# KiCad board sbc.kicad_pcb (continued)
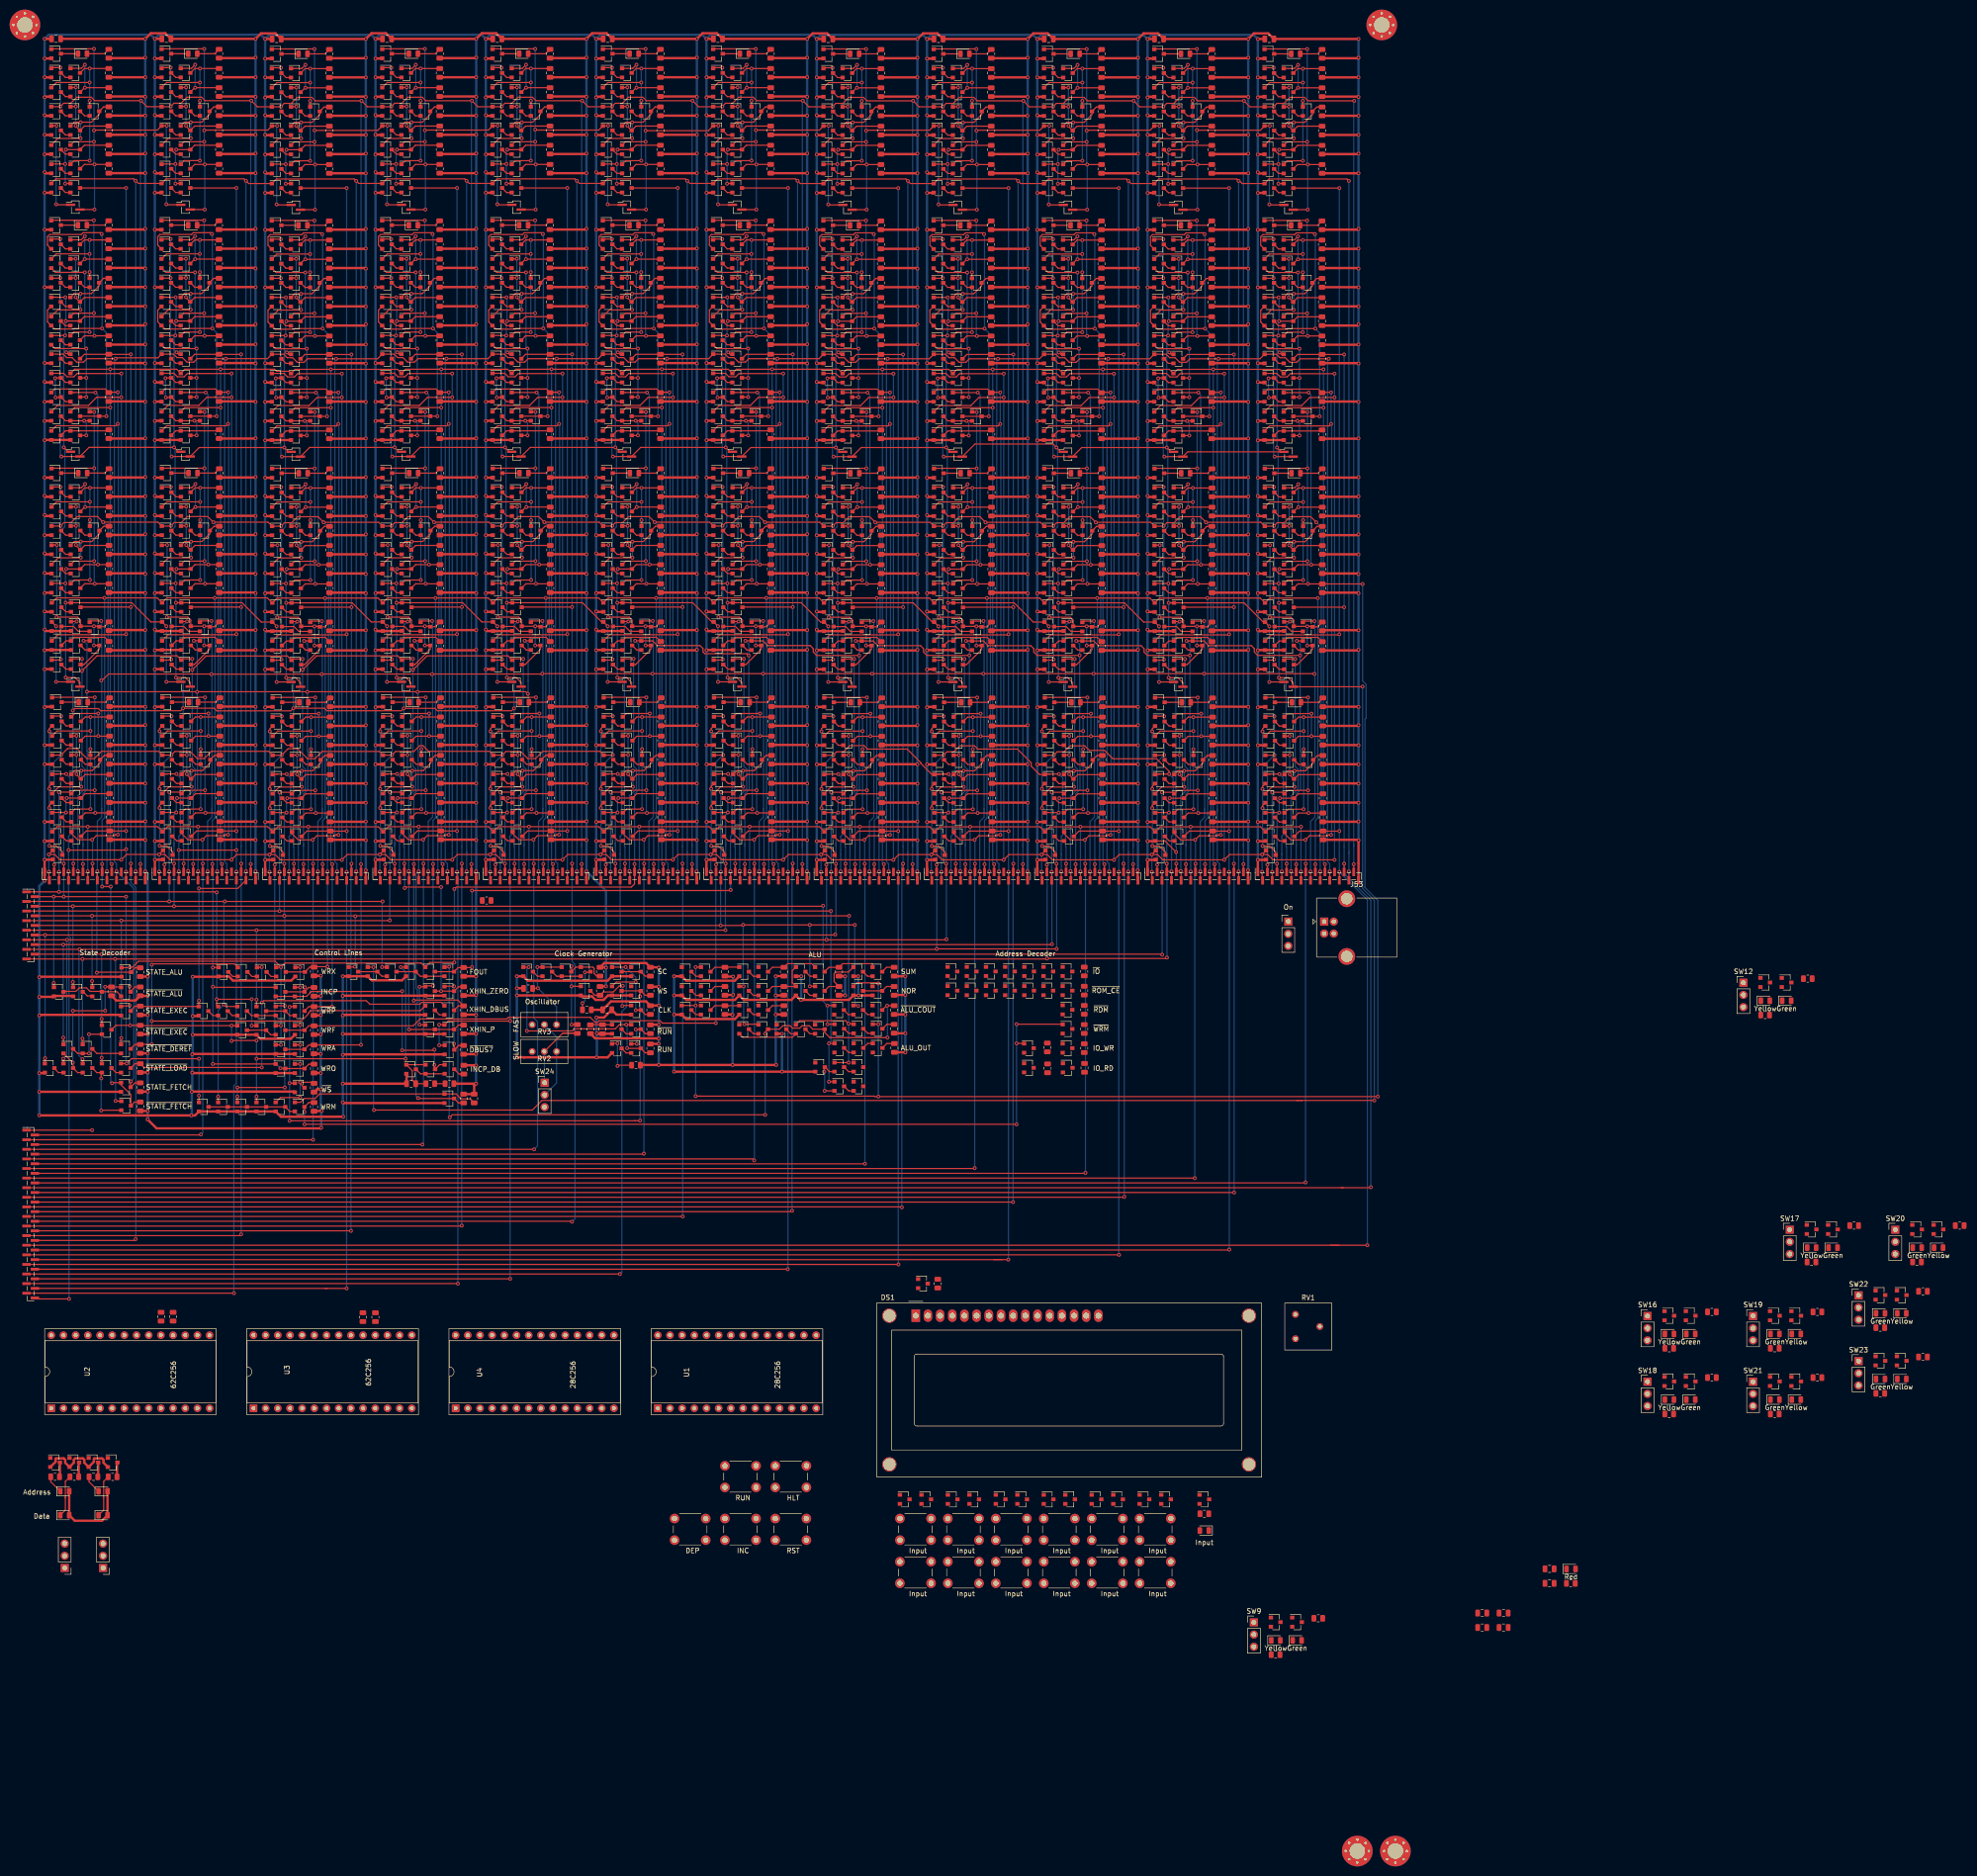
[diagram p0: board, top side]
## Routing (per net, layer and track width the routed paths; a pad name or vN(x,y) marks a point on that pad's centre or on a via; arc(x,y) is an arc through that point) (continued)
Net-(Q248-Pad1): length 6.4
  Top w0.25: Q251.3 143.91,184.31 R113.2 146.04,184.35 Q248.1
Net-(Q251-Pad2): length 2.4
  Top w0.25: Q251.2 139.95,182.45 Q252.3
Net-(Q253-Pad2): length 2.4
  Top w0.25: Q255.3 163.75,182.45 Q253.2
Net-(Q253-Pad3): length 11.4
  Top w0.25: Q253.3 167.71,184.31 R114.2 170.56,185.08 176.72,185.08 176.8,185 Q257.1
Net-(Q254-Pad1): length 10.8
  Top w0.25: Q256.3 155.91,180.31 R116.2 160.76,180.31 Q266.1 160.02,181.13 160.02,183.57 Q255.1
Net-(Q254-Pad2): length 2.4
  Top w0.25: Q258.3 139.95,178.45 Q254.2
Net-(Q254-Pad3): length 3.4
  Top w0.25: Q254.3 143.91,180.31 R115.2
Net-(Q256-Pad2): length 2.4
  Top w0.25: Q259.3 151.95,178.45 Q256.2
Net-(Q257-Pad2): length 2.4
  Top w0.25: Q260.3 175.75,182.45 Q257.2
Net-(Q260-Pad1): length 11.1
  Top w0.25: Q262.3 167.71,180.31 R120.2 168.77,181.34 168.77,182.99 169.11,183.33 171.78,183.33 Q260.1
Net-(Q262-Pad2): length 2.4
  Top w0.25: Q266.3 163.75,178.45 Q262.2
Net-(Q263-Pad2): length 2.4
  Top w0.25: Q263.2 175.75,174.45 Q267.3
Net-(Q264-Pad2): length 2.4
  Top w0.25: Q264.2 163.75,170.45 Q268.3
Net-(Q265-Pad2): length 2.4
  Top w0.25: Q265.2 151.95,170.45 Q269.3
Net-(Q267-Pad2): length 2.4
  Top w0.25: Q267.2 171.75,174.45 Q274.3
Net-(Q268-Pad2): length 14.8
  Top w0.25: Q279.3 159.75,170.45 Q268.2 160.07,169.72 149.73,169.72 Q269.2
Net-(Q270-Pad2): length 2.4
  Top w0.25: Q270.2 175.8,170.55 Q275.3
Net-(Q271-Pad2): length 2.4
  Top w0.25: Q271.2 171.8,166.55 Q276.3
Net-(Q272-Pad2): length 2.4
  Top w0.25: Q277.3 171.8,162.55 Q272.2
Net-(Q273-Pad2): length 2.4
  Top w0.25: Q278.3 171.8,158.55 Q273.2
Net-(Q275-Pad2): length 2.4
  Top w0.25: Q280.3 171.8,170.55 Q275.2
Net-(Q277-Pad2): length 9.5
  Top w0.25: Q277.2 167.8,162.55 Q281.3 166.7,163.35 v1(166.7,162.55) ; Q278.2 v1(166.8,158.55)
  Bottom w0.25: v1(166.7,162.55) 166.8,162.45 v1(166.8,158.55)
Net-(Q284-Pad2): length 2.4
  Top w0.25: Q285.3 54.65,210.67 Q284.2
Net-(Q286-Pad2): length 2.4
  Top w0.25: Q287.3 54.45,345.87 Q286.2
Net-(Q288-Pad1): length 39.6
  Top w0.25: Q294.3 58.41,371.73 v1(59.51,371.73) R129.2 ; v1(59.5,352.52) 56.25,352.52 Q288.1 ; v1(59.5,365.02) Q297.1 ; Q291.1 52.55,368.82 v1(59.5,368.82)
  Bottom w0.25: v1(59.5,352.52) v1(59.5,365.02) v1(59.5,368.82) 59.5,371.72 v1(59.51,371.73)
Net-(Q288-Pad2): length 2.4
  Top w0.25: Q290.3 54.45,349.87 Q288.2
Net-(Q289-Pad1): length 18
  Top w0.25: R131.2 58.41,359.73 Q300.3 56.6,359.72 v1(56.6,359.82) ; v1(56.6,367.82) 56.55,367.77 Q289.1 ; Q298.1 55.55,363.82 v1(56.6,363.82)
  Bottom w0.25: v1(56.6,367.82) v1(56.6,363.82) v1(56.6,359.82)
Net-(Q289-Pad2): length 2.4
  Top w0.25: Q291.3 54.45,365.87 Q289.2
Net-(Q289-Pad3): length 14.5
  Top w0.25: Q289.3 58.41,367.73 v1(58.51,367.73) R126.2 ; v1(58.5,372.52) 57.75,371.77 Q294.1
  Bottom w0.25: v1(58.5,372.52) 58.5,367.75 v1(58.51,367.73)
Net-(Q293-Pad2): length 2.4
  Top w0.25: Q295.3 54.45,353.87 Q293.2
Net-(Q294-Pad2): length 2.4
  Top w0.25: Q296.3 54.45,369.87 Q294.2
Net-(Q295-Pad1): length 20.1
  Top w0.25: R130.2 62.41,363.73 Q297.3 61.5,362.17 59.88,360.55 57.63,360.55 ; Q300.1 56.28,360.55 57.63,360.55 ; 57.63,360.55 v1(57.6,360.52) ; Q295.1 52.87,357.14 57.56,357.14 v1(57.6,357.18)
  Bottom w0.25: v1(57.6,360.52) v1(57.6,357.18)
Net-(Q297-Pad2): length 2.4
  Top w0.25: Q298.3 58.45,361.87 Q297.2
Net-(Q298-Pad2): length 2.4
  Top w0.25: Q299.3 54.45,361.87 Q298.2
Net-(Q300-Pad2): length 2.4
  Top w0.25: Q301.3 54.45,357.87 Q300.2
Net-(Q302-Pad2): length 2.3
  Top w0.25: Q307.3 58.55,250.47 Q302.2
Net-(Q303-Pad2): length 2.4
  Top w0.25: Q308.3 54.55,258.42 Q303.2
Net-(Q304-Pad2): length 2.4
  Top w0.25: Q309.3 54.55,246.47 Q304.2
Net-(Q305-Pad2): length 6.3
  Top w0.25: Q310.3 56.14,255.37 57.14,254.37 Q305.2
Net-(Q307-Pad1): length 11
  Top w0.25: R133.2 62.66,253.12 56.35,253.12 Q307.1 54.55,252.37 Q311.3
Net-(Q312-Pad1): length 39.6
  Top w0.25: Q318.3 58.46,284.27 v1(59.56,284.27) R138.2 ; v1(59.55,265.06) 56.3,265.06 Q312.1 ; v1(59.55,277.56) Q321.1 ; Q315.1 52.6,281.36 v1(59.55,281.36)
  Bottom w0.25: v1(59.55,265.06) v1(59.55,277.56) v1(59.55,281.36) 59.55,284.26 v1(59.56,284.27)
Net-(Q312-Pad2): length 2.4
  Top w0.25: Q314.3 54.5,262.41 Q312.2
Net-(Q313-Pad1): length 18
  Top w0.25: R140.2 58.46,272.27 Q324.3 56.65,272.26 v1(56.65,272.36) ; v1(56.65,280.36) 56.6,280.31 Q313.1 ; Q322.1 55.6,276.36 v1(56.65,276.36)
  Bottom w0.25: v1(56.65,280.36) v1(56.65,276.36) v1(56.65,272.36)
Net-(Q313-Pad2): length 2.4
  Top w0.25: Q315.3 54.5,278.41 Q313.2
Net-(Q313-Pad3): length 14.5
  Top w0.25: Q313.3 58.46,280.27 v1(58.56,280.27) R135.2 ; v1(58.55,285.06) 57.8,284.31 Q318.1
  Bottom w0.25: v1(58.55,285.06) 58.55,280.29 v1(58.56,280.27)
Net-(Q317-Pad2): length 2.4
  Top w0.25: Q319.3 54.5,266.41 Q317.2
Net-(Q318-Pad2): length 2.4
  Top w0.25: Q320.3 54.5,282.41 Q318.2
Net-(Q319-Pad1): length 20.1
  Top w0.25: R139.2 62.46,276.27 Q321.3 61.55,274.71 59.92,273.09 57.68,273.09 ; Q324.1 56.33,273.09 57.68,273.09 ; 57.68,273.09 v1(57.65,273.06) ; Q319.1 52.92,269.68 57.61,269.68 v1(57.65,269.72)
  Bottom w0.25: v1(57.65,273.06) v1(57.65,269.72)
Net-(Q321-Pad2): length 2.4
  Top w0.25: Q322.3 58.5,274.41 Q321.2
Net-(Q322-Pad2): length 2.4
  Top w0.25: Q323.3 54.5,274.41 Q322.2
Net-(Q324-Pad2): length 2.4
  Top w0.25: Q325.3 54.5,270.41 Q324.2
Net-(Q326-Pad2): length 2.4
  Top w0.25: Q327.3 54.45,310.27 Q326.2
Net-(Q328-Pad2): length 11.2
  Top w0.25: Q328.2 54.45,306.27 Q332.3 52.39,307.22 v1(52.32,307.14) ; Q329.2 54.45,302.27 Q333.3 53.4,303.12 v1(52.4,303.12)
  Bottom w0.25: v1(52.4,303.12) 52.32,303.2 v1(52.32,307.14)
Net-(Q330-Pad2): length 10.9
  Top w0.25: Q334.3 54.45,298.27 Q330.2 v1(58.35,298.27) Q331.2 ; Q335.3 v1(58.8,295.22)
  Bottom w0.25: v1(58.35,298.27) 58.8,297.82 v1(58.8,295.22)
Net-(Q335-Pad1): length 10.5
  Top w0.25: Q336.3 54.45,296.17 Q335.1 63.29,296.17 R142.2
Net-(Q337-Pad1): length 39.6
  Top w0.25: Q343.3 58.39,335.98 v1(59.49,335.98) R147.2 ; v1(59.48,316.77) 56.23,316.77 Q337.1 ; v1(59.48,329.27) Q346.1 ; Q340.1 52.53,333.07 v1(59.48,333.07)
  Bottom w0.25: v1(59.48,316.77) v1(59.48,329.27) v1(59.48,333.07) 59.48,335.97 v1(59.49,335.98)
Net-(Q337-Pad2): length 2.4
  Top w0.25: Q339.3 54.43,314.12 Q337.2
Net-(Q338-Pad1): length 18
  Top w0.25: R149.2 58.39,323.98 Q349.3 56.58,323.97 v1(56.58,324.07) ; v1(56.58,332.07) 56.53,332.02 Q338.1 ; Q347.1 55.53,328.07 v1(56.58,328.07)
  Bottom w0.25: v1(56.58,332.07) v1(56.58,328.07) v1(56.58,324.07)
Net-(Q338-Pad2): length 2.4
  Top w0.25: Q340.3 54.43,330.12 Q338.2
Net-(Q338-Pad3): length 14.5
  Top w0.25: Q338.3 58.39,331.98 v1(58.49,331.98) R144.2 ; v1(58.48,336.77) 57.73,336.02 Q343.1
  Bottom w0.25: v1(58.48,336.77) 58.48,331.99 v1(58.49,331.98)
Net-(Q342-Pad2): length 2.4
  Top w0.25: Q344.3 54.43,318.12 Q342.2
Net-(Q343-Pad2): length 2.4
  Top w0.25: Q345.3 54.43,334.12 Q343.2
Net-(Q344-Pad1): length 20.1
  Top w0.25: R148.2 62.39,327.98 Q346.3 61.48,326.42 59.86,324.79 57.61,324.79 ; Q349.1 56.26,324.79 57.61,324.79 ; 57.61,324.79 v1(57.58,324.77) ; Q344.1 52.85,321.39 57.54,321.39 v1(57.58,321.43)
  Bottom w0.25: v1(57.58,324.77) v1(57.58,321.43)
Net-(Q346-Pad2): length 2.4
  Top w0.25: Q347.3 58.43,326.12 Q346.2
Net-(Q347-Pad2): length 2.4
  Top w0.25: Q348.3 54.43,326.12 Q347.2
Net-(Q349-Pad2): length 2.4
  Top w0.25: Q350.3 54.43,322.12 Q349.2
Net-(Q353-Pad1): length 39.6
  Top w0.25: Q359.3 58.57,236.49 v1(59.67,236.49) R154.2 ; v1(59.66,217.28) 56.41,217.28 Q353.1 ; v1(59.66,229.78) Q362.1 ; Q356.1 52.71,233.58 v1(59.66,233.58)
  Bottom w0.25: v1(59.66,217.28) v1(59.66,229.78) v1(59.66,233.58) 59.66,236.48 v1(59.67,236.49)
Net-(Q353-Pad2): length 2.4
  Top w0.25: Q355.3 54.61,214.63 Q353.2
Net-(Q354-Pad1): length 18
  Top w0.25: R156.2 58.57,224.49 Q365.3 56.76,224.48 v1(56.76,224.58) ; v1(56.76,232.58) 56.71,232.53 Q354.1 ; Q363.1 55.71,228.58 v1(56.76,228.58)
  Bottom w0.25: v1(56.76,232.58) v1(56.76,228.58) v1(56.76,224.58)
Net-(Q354-Pad2): length 2.4
  Top w0.25: Q356.3 54.61,230.63 Q354.2
Net-(Q354-Pad3): length 17.1
  Top w0.25: Q354.3 58.57,232.49 61.23,232.49 ; 61.27,232.49 61.27,232.51 v1(61.29,232.52) 61.25,232.52 61.23,232.49 ; 61.27,232.49 R151.2 ; 61.27,232.49 61.23,232.49 ; Q359.1 56.35,237.22 v1(61.29,237.22)
  Bottom w0.25: v1(61.29,232.52) v1(61.29,237.22)
Net-(Q358-Pad2): length 2.4
  Top w0.25: Q360.3 54.61,218.63 Q358.2
Net-(Q359-Pad2): length 2.4
  Top w0.25: Q361.3 54.61,234.63 Q359.2
Net-(Q360-Pad1): length 20.1
  Top w0.25: R155.2 62.57,228.49 Q362.3 61.66,226.93 60.04,225.31 57.79,225.31 ; Q365.1 56.44,225.31 57.79,225.31 ; 57.79,225.31 v1(57.76,225.28) ; Q360.1 53.03,221.9 57.72,221.9 v1(57.76,221.94)
  Bottom w0.25: v1(57.76,225.28) v1(57.76,221.94)
Net-(Q362-Pad2): length 2.4
  Top w0.25: Q363.3 58.61,226.63 Q362.2
Net-(Q363-Pad2): length 2.4
  Top w0.25: Q364.3 54.61,226.63 Q363.2
Net-(Q365-Pad2): length 2.4
  Top w0.25: Q366.3 54.61,222.63 Q365.2
Net-(Q367-Pad2): length 2.4
  Top w0.25: Q368.3 77.67,210.7 Q367.2
Net-(Q369-Pad2): length 2.4
  Top w0.25: Q370.3 77.47,345.9 Q369.2
Net-(Q371-Pad1): length 39.6
  Top w0.25: Q377.3 81.44,371.76 v1(82.54,371.76) R163.2 ; v1(82.53,352.55) 79.28,352.55 Q371.1 ; v1(82.53,365.05) Q380.1 ; Q374.1 75.58,368.85 v1(82.53,368.85)
  Bottom w0.25: v1(82.53,352.55) v1(82.53,365.05) v1(82.53,368.85) 82.53,371.75 v1(82.54,371.76)
Net-(Q371-Pad2): length 2.4
  Top w0.25: Q373.3 77.47,349.9 Q371.2
Net-(Q372-Pad1): length 18
  Top w0.25: R165.2 81.44,359.76 Q383.3 79.62,359.75 v1(79.62,359.85) ; v1(79.62,367.85) 79.58,367.8 Q372.1 ; Q381.1 78.58,363.85 v1(79.62,363.85)
  Bottom w0.25: v1(79.62,367.85) v1(79.62,363.85) v1(79.62,359.85)
Net-(Q372-Pad2): length 2.4
  Top w0.25: Q374.3 77.47,365.9 Q372.2
Net-(Q372-Pad3): length 14.5
  Top w0.25: Q372.3 81.44,367.76 v1(81.54,367.76) R160.2 ; v1(81.53,372.55) 80.78,371.8 Q377.1
  Bottom w0.25: v1(81.53,372.55) 81.53,367.77 v1(81.54,367.76)
Net-(Q376-Pad2): length 2.4
  Top w0.25: Q378.3 77.47,353.9 Q376.2
Net-(Q377-Pad2): length 2.4
  Top w0.25: Q379.3 77.47,369.9 Q377.2
Net-(Q378-Pad1): length 20.1
  Top w0.25: R164.2 85.44,363.76 Q380.3 84.53,362.2 82.9,360.57 80.65,360.57 ; Q383.1 79.3,360.57 80.65,360.57 ; 80.65,360.57 v1(80.62,360.55) ; Q378.1 75.9,357.17 80.59,357.17 v1(80.62,357.21)
  Bottom w0.25: v1(80.62,360.55) v1(80.62,357.21)
Net-(Q380-Pad2): length 2.4
  Top w0.25: Q381.3 81.47,361.9 Q380.2
Net-(Q381-Pad2): length 2.4
  Top w0.25: Q382.3 77.47,361.9 Q381.2
Net-(Q383-Pad2): length 2.4
  Top w0.25: Q384.3 77.47,357.9 Q383.2
Net-(Q385-Pad2): length 2.3
  Top w0.25: Q390.3 81.58,250.5 Q385.2
Net-(Q386-Pad2): length 2.4
  Top w0.25: Q391.3 77.58,258.45 Q386.2
Net-(Q387-Pad2): length 2.4
  Top w0.25: Q392.3 77.58,246.5 Q387.2
Net-(Q388-Pad2): length 6.3
  Top w0.25: Q393.3 79.16,255.4 80.16,254.4 82.53,254.4
Net-(Q390-Pad1): length 11
  Top w0.25: R167.2 85.69,253.14 79.37,253.14 Q390.1 77.58,252.4 Q394.3
Net-(Q395-Pad1): length 39.6
  Top w0.25: Q401.3 81.49,284.3 v1(82.59,284.3) R172.2 ; v1(82.58,265.09) 79.33,265.09 Q395.1 ; v1(82.58,277.59) Q404.1 ; Q398.1 75.62,281.38 v1(82.58,281.38)
  Bottom w0.25: v1(82.58,265.09) v1(82.58,277.59) v1(82.58,281.38) 82.58,284.29 v1(82.59,284.3)
Net-(Q395-Pad2): length 2.4
  Top w0.25: Q397.3 77.53,262.44 Q395.2
Net-(Q396-Pad1): length 18
  Top w0.25: R174.2 81.49,272.3 Q407.3 79.67,272.29 v1(79.67,272.38) ; v1(79.67,280.38) 79.62,280.34 Q396.1 ; 78.58,276.34 78.62,276.38 v1(79.67,276.38)
  Bottom w0.25: v1(79.67,280.38) v1(79.67,276.38) v1(79.67,272.38)
Net-(Q396-Pad2): length 2.4
  Top w0.25: Q398.3 77.53,278.44 Q396.2
Net-(Q396-Pad3): length 14.5
  Top w0.25: Q396.3 81.49,280.3 v1(81.59,280.3) R169.2 ; v1(81.58,285.09) 80.83,284.34 Q401.1
  Bottom w0.25: v1(81.58,285.09) 81.58,280.31 v1(81.59,280.3)
Net-(Q400-Pad2): length 2.4
  Top w0.25: Q402.3 77.53,266.44 Q400.2
Net-(Q401-Pad2): length 2.4
  Top w0.25: Q403.3 77.53,282.44 Q401.2
Net-(Q402-Pad1): length 20.1
  Top w0.25: R173.2 85.49,276.3 Q404.3 84.58,274.74 82.95,273.11 80.7,273.11 ; Q407.1 79.35,273.11 80.7,273.11 ; 80.7,273.11 v1(80.67,273.09) ; Q402.1 75.95,269.71 80.64,269.71 v1(80.67,269.75)
  Bottom w0.25: v1(80.67,273.09) v1(80.67,269.75)
Net-(Q404-Pad2): length 2.4
  Top w0.25: Q405.3 81.52,274.44 Q404.2
Net-(Q405-Pad2): length 2.4
  Top w0.25: Q406.3 77.53,274.44 Q405.2
Net-(Q407-Pad2): length 2.4
  Top w0.25: Q408.3 77.53,270.44 Q407.2
Net-(Q409-Pad2): length 2.4
  Top w0.25: Q410.3 77.47,310.3 Q409.2
Net-(Q411-Pad2): length 11.2
  Top w0.25: Q411.2 77.47,306.3 Q415.3 75.42,307.25 v1(75.34,307.17) ; Q412.2 77.47,302.3 Q416.3 76.42,303.15 v1(75.42,303.15)
  Bottom w0.25: v1(75.42,303.15) 75.34,303.23 v1(75.34,307.17)
Net-(Q413-Pad2): length 10.9
  Top w0.25: Q417.3 77.47,298.3 Q413.2 v1(81.38,298.3) Q414.2 ; Q418.3 v1(81.83,295.25)
  Bottom w0.25: v1(81.38,298.3) 81.83,297.85 v1(81.83,295.25)
Net-(Q418-Pad1): length 10.5
  Top w0.25: Q419.3 77.47,296.2 Q418.1 86.31,296.2 R176.2
Net-(Q420-Pad1): length 39.6
  Top w0.25: Q426.3 81.42,336 v1(82.52,336) R181.2 ; v1(82.5,316.79) 79.25,316.79 Q420.1 ; v1(82.5,329.29) Q429.1 ; Q423.1 75.56,333.09 v1(82.5,333.09)
  Bottom w0.25: v1(82.5,316.79) v1(82.5,329.29) v1(82.5,333.09) 82.5,335.99 v1(82.52,336)
Net-(Q420-Pad2): length 2.4
  Top w0.25: Q422.3 77.45,314.14 Q420.2
Net-(Q421-Pad1): length 18
  Top w0.25: R183.2 81.42,324 Q432.3 79.61,323.99 v1(79.61,324.09) ; v1(79.61,332.09) 79.56,332.04 Q421.1 ; Q430.1 78.56,328.09 v1(79.61,328.09)
  Bottom w0.25: v1(79.61,332.09) v1(79.61,328.09) v1(79.61,324.09)
Net-(Q421-Pad2): length 2.4
  Top w0.25: Q423.3 77.45,330.14 Q421.2
Net-(Q421-Pad3): length 14.5
  Top w0.25: Q421.3 81.42,332 v1(81.52,332) R178.2 ; v1(81.5,336.79) 80.75,336.04 Q426.1
  Bottom w0.25: v1(81.5,336.79) 81.5,332.02 v1(81.52,332)
Net-(Q425-Pad2): length 2.4
  Top w0.25: Q427.3 77.45,318.14 Q425.2
Net-(Q426-Pad2): length 2.4
  Top w0.25: Q428.3 77.45,334.14 Q426.2
Net-(Q427-Pad1): length 20.1
  Top w0.25: R182.2 85.42,328 Q429.3 84.5,326.44 82.88,324.82 80.63,324.82 ; Q432.1 79.28,324.82 80.63,324.82 ; 80.63,324.82 v1(80.61,324.79) ; Q427.1 75.88,321.41 80.57,321.41 v1(80.61,321.45)
  Bottom w0.25: v1(80.61,324.79) v1(80.61,321.45)
Net-(Q429-Pad2): length 2.4
  Top w0.25: Q430.3 81.45,326.14 Q429.2
Net-(Q430-Pad2): length 2.4
  Top w0.25: Q431.3 77.45,326.14 Q430.2
Net-(Q432-Pad2): length 2.4
  Top w0.25: Q433.3 77.45,322.14 Q432.2
Net-(Q436-Pad1): length 39.6
  Top w0.25: Q442.3 81.6,236.52 v1(82.7,236.52) R188.2 ; v1(82.69,217.31) 79.44,217.31 Q436.1 ; v1(82.69,229.81) Q445.1 ; Q439.1 75.74,233.61 v1(82.69,233.61)
  Bottom w0.25: v1(82.69,217.31) v1(82.69,229.81) v1(82.69,233.61) 82.69,236.51 v1(82.7,236.52)
Net-(Q436-Pad2): length 2.4
  Top w0.25: Q438.3 77.64,214.66 Q436.2
Net-(Q437-Pad1): length 18
  Top w0.25: R190.2 81.6,224.52 Q448.3 79.79,224.51 v1(79.79,224.61) ; v1(79.79,232.61) 79.74,232.56 Q437.1 ; Q446.1 78.74,228.61 v1(79.79,228.61)
  Bottom w0.25: v1(79.79,232.61) v1(79.79,228.61) v1(79.79,224.61)
Net-(Q437-Pad2): length 2.4
  Top w0.25: Q439.3 77.64,230.66 Q437.2
Net-(Q437-Pad3): length 17.1
  Top w0.25: Q437.3 81.6,232.52 84.25,232.52 ; 84.3,232.52 84.3,232.53 v1(84.31,232.55) 84.28,232.55 84.25,232.52 ; 84.3,232.52 R185.2 ; 84.3,232.52 84.25,232.52 ; Q442.1 79.37,237.24 v1(84.31,237.24)
  Bottom w0.25: v1(84.31,232.55) v1(84.31,237.24)
Net-(Q441-Pad2): length 2.4
  Top w0.25: Q443.3 77.64,218.66 Q441.2
Net-(Q442-Pad2): length 2.4
  Top w0.25: Q444.3 77.64,234.66 Q442.2
Net-(Q443-Pad1): length 20.1
  Top w0.25: R189.2 85.6,228.52 Q445.3 84.69,226.96 83.06,225.33 80.81,225.33 ; Q448.1 79.46,225.33 80.81,225.33 ; 80.81,225.33 v1(80.79,225.31) ; Q443.1 76.06,221.93 80.75,221.93 v1(80.79,221.97)
  Bottom w0.25: v1(80.79,225.31) v1(80.79,221.97)
Net-(Q445-Pad2): length 2.4
  Top w0.25: Q446.3 81.64,226.66 Q445.2
Net-(Q446-Pad2): length 2.4
  Top w0.25: Q447.3 77.64,226.66 Q446.2
Net-(Q448-Pad2): length 2.4
  Top w0.25: Q449.3 77.64,222.66 Q448.2
Net-(Q450-Pad2): length 2.4
  Top w0.25: Q451.3 100.68,210.7 Q450.2
Net-(Q452-Pad2): length 2.4
  Top w0.25: Q453.3 100.47,345.9 Q452.2
Net-(Q454-Pad1): length 39.6
  Top w0.25: Q460.3 104.44,371.76 v1(105.54,371.76) R197.2 ; v1(105.53,352.55) 102.28,352.55 Q454.1 ; v1(105.53,365.05) Q463.1 ; Q457.1 98.57,368.85 v1(105.53,368.85)
  Bottom w0.25: v1(105.53,352.55) v1(105.53,365.05) v1(105.53,368.85) 105.53,371.75 v1(105.54,371.76)
Net-(Q454-Pad2): length 2.4
  Top w0.25: Q456.3 100.47,349.9 Q454.2
Net-(Q455-Pad1): length 18
  Top w0.25: R199.2 104.44,359.76 Q466.3 102.62,359.75 v1(102.62,359.85) ; v1(102.62,367.85) 102.57,367.8 Q455.1 ; Q464.1 101.57,363.85 v1(102.62,363.85)
  Bottom w0.25: v1(102.62,367.85) v1(102.62,363.85) v1(102.62,359.85)
Net-(Q455-Pad2): length 2.4
  Top w0.25: Q457.3 100.47,365.9 Q455.2
Net-(Q455-Pad3): length 14.5
  Top w0.25: Q455.3 104.44,367.76 v1(104.54,367.76) R194.2 ; v1(104.53,372.55) 103.78,371.8 Q460.1
  Bottom w0.25: v1(104.53,372.55) 104.53,367.77 v1(104.54,367.76)
Net-(Q459-Pad2): length 2.4
  Top w0.25: Q461.3 100.47,353.9 Q459.2
Net-(Q460-Pad2): length 2.4
  Top w0.25: Q462.3 100.47,369.9 Q460.2
Net-(Q461-Pad1): length 20.1
  Top w0.25: R198.2 108.44,363.76 Q463.3 107.53,362.2 105.9,360.57 103.65,360.57 ; Q466.1 102.3,360.57 103.65,360.57 ; 103.65,360.57 v1(103.62,360.55) ; Q461.1 98.9,357.17 103.59,357.17 v1(103.62,357.21)
  Bottom w0.25: v1(103.62,360.55) v1(103.62,357.21)
Net-(Q463-Pad2): length 2.4
  Top w0.25: Q464.3 104.47,361.9 Q463.2
Net-(Q464-Pad2): length 2.4
  Top w0.25: Q465.3 100.47,361.9 Q464.2
Net-(Q466-Pad2): length 2.4
  Top w0.25: Q467.3 100.47,357.9 Q466.2
Net-(Q468-Pad2): length 2.3
  Top w0.25: Q473.3 104.58,250.5 Q468.2
Net-(Q469-Pad2): length 2.4
  Top w0.25: Q474.3 100.57,258.45 Q469.2
Net-(Q470-Pad2): length 2.4
  Top w0.25: Q475.3 100.58,246.5 Q470.2
Net-(Q471-Pad2): length 6.3
  Top w0.25: Q476.3 102.16,255.4 103.16,254.4 105.53,254.4
Net-(Q473-Pad1): length 11
  Top w0.25: R201.2 108.69,253.14 102.37,253.14 Q473.1 100.58,252.4 Q477.3
Net-(Q478-Pad1): length 39.6
  Top w0.25: Q484.3 104.49,284.3 v1(105.59,284.3) R206.2 ; v1(105.57,265.09) 102.32,265.09 Q478.1 ; v1(105.57,277.59) Q487.1 ; Q481.1 98.62,281.38 v1(105.57,281.38)
  Bottom w0.25: v1(105.57,265.09) v1(105.57,277.59) v1(105.57,281.38) 105.57,284.29 v1(105.59,284.3)
Net-(Q478-Pad2): length 2.4
  Top w0.25: Q480.3 100.53,262.44 Q478.2
Net-(Q479-Pad1): length 18
  Top w0.25: R208.2 104.49,272.3 Q490.3 102.68,272.29 v1(102.68,272.38) ; v1(102.68,280.38) 102.62,280.34 Q479.1 ; 101.57,276.34 101.62,276.38 v1(102.68,276.38)
  Bottom w0.25: v1(102.68,280.38) v1(102.68,276.38) v1(102.68,272.38)
Net-(Q479-Pad2): length 2.4
  Top w0.25: Q481.3 100.53,278.44 Q479.2
Net-(Q479-Pad3): length 14.5
  Top w0.25: Q479.3 104.49,280.3 v1(104.59,280.3) R203.2 ; v1(104.57,285.09) 103.82,284.34 Q484.1
  Bottom w0.25: v1(104.57,285.09) 104.57,280.31 v1(104.59,280.3)
Net-(Q483-Pad2): length 2.4
  Top w0.25: Q485.3 100.53,266.44 Q483.2
Net-(Q484-Pad2): length 2.4
  Top w0.25: Q486.3 100.53,282.44 Q484.2
Net-(Q485-Pad1): length 20.1
  Top w0.25: R207.2 108.49,276.3 Q487.3 107.57,274.74 105.95,273.11 103.7,273.11 ; Q490.1 102.35,273.11 103.7,273.11 ; 103.7,273.11 v1(103.68,273.09) ; Q485.1 98.95,269.71 103.64,269.71 v1(103.68,269.75)
  Bottom w0.25: v1(103.68,273.09) v1(103.68,269.75)
Net-(Q487-Pad2): length 2.4
  Top w0.25: Q488.3 104.52,274.44 Q487.2
Net-(Q488-Pad2): length 2.4
  Top w0.25: Q489.3 100.53,274.44 Q488.2
Net-(Q490-Pad2): length 2.4
  Top w0.25: Q491.3 100.53,270.44 Q490.2
Net-(Q492-Pad2): length 2.4
  Top w0.25: Q493.3 100.47,310.3 Q492.2
Net-(Q494-Pad2): length 11.2
  Top w0.25: Q494.2 100.47,306.3 Q498.3 98.42,307.25 v1(98.34,307.17) ; Q495.2 100.47,302.3 Q499.3 99.43,303.15 v1(98.43,303.15)
  Bottom w0.25: v1(98.43,303.15) 98.34,303.23 v1(98.34,307.17)
Net-(Q496-Pad2): length 10.9
  Top w0.25: Q500.3 100.47,298.3 Q496.2 v1(104.38,298.3) Q497.2 ; Q501.3 v1(104.82,295.25)
  Bottom w0.25: v1(104.38,298.3) 104.82,297.85 v1(104.82,295.25)
Net-(Q501-Pad1): length 10.5
  Top w0.25: Q502.3 100.47,296.2 Q501.1 109.31,296.2 R210.2
Net-(Q503-Pad1): length 39.6
  Top w0.25: Q509.3 104.42,336 v1(105.52,336) R215.2 ; v1(105.5,316.79) 102.25,316.79 Q503.1 ; v1(105.5,329.29) Q512.1 ; Q506.1 98.56,333.09 v1(105.5,333.09)
  Bottom w0.25: v1(105.5,316.79) v1(105.5,329.29) v1(105.5,333.09) 105.5,335.99 v1(105.52,336)
Net-(Q503-Pad2): length 2.4
  Top w0.25: Q505.3 100.46,314.14 Q503.2
Net-(Q504-Pad1): length 18
  Top w0.25: R217.2 104.42,324 Q515.3 102.6,323.99 v1(102.6,324.09) ; v1(102.6,332.09) 102.56,332.04 Q504.1 ; Q513.1 101.56,328.09 v1(102.6,328.09)
  Bottom w0.25: v1(102.6,332.09) v1(102.6,328.09) v1(102.6,324.09)
Net-(Q504-Pad2): length 2.4
  Top w0.25: Q506.3 100.46,330.14 Q504.2
Net-(Q504-Pad3): length 14.5
  Top w0.25: Q504.3 104.42,332 v1(104.52,332) R212.2 ; v1(104.5,336.79) 103.75,336.04 Q509.1
  Bottom w0.25: v1(104.5,336.79) 104.5,332.02 v1(104.52,332)
Net-(Q508-Pad2): length 2.4
  Top w0.25: Q510.3 100.46,318.14 Q508.2
Net-(Q509-Pad2): length 2.4
  Top w0.25: Q511.3 100.46,334.14 Q509.2
Net-(Q510-Pad1): length 20.1
  Top w0.25: R216.2 108.42,328 Q512.3 107.5,326.44 105.88,324.82 103.63,324.82 ; Q515.1 102.28,324.82 103.63,324.82 ; 103.63,324.82 v1(103.6,324.79) ; Q510.1 98.88,321.41 103.57,321.41 v1(103.6,321.45)
  Bottom w0.25: v1(103.6,324.79) v1(103.6,321.45)
Net-(Q512-Pad2): length 2.4
  Top w0.25: Q513.3 104.45,326.14 Q512.2
Net-(Q513-Pad2): length 2.4
  Top w0.25: Q514.3 100.46,326.14 Q513.2
Net-(Q515-Pad2): length 2.4
  Top w0.25: Q516.3 100.46,322.14 Q515.2
Net-(Q519-Pad1): length 39.6
  Top w0.25: Q525.3 104.6,236.52 v1(105.7,236.52) R222.2 ; v1(105.69,217.31) 102.44,217.31 Q519.1 ; v1(105.69,229.81) Q528.1 ; Q522.1 98.74,233.61 v1(105.69,233.61)
  Bottom w0.25: v1(105.69,217.31) v1(105.69,229.81) v1(105.69,233.61) 105.69,236.51 v1(105.7,236.52)
Net-(Q519-Pad2): length 2.4
  Top w0.25: Q521.3 100.64,214.66 Q519.2
Net-(Q520-Pad1): length 18
  Top w0.25: R224.2 104.6,224.52 Q531.3 102.79,224.51 v1(102.79,224.61) ; v1(102.79,232.61) 102.74,232.56 Q520.1 ; Q529.1 101.74,228.61 v1(102.79,228.61)
  Bottom w0.25: v1(102.79,232.61) v1(102.79,228.61) v1(102.79,224.61)
Net-(Q520-Pad2): length 2.4
  Top w0.25: Q522.3 100.64,230.66 Q520.2
Net-(Q520-Pad3): length 17.1
  Top w0.25: Q520.3 104.6,232.52 107.25,232.52 ; 107.3,232.52 107.3,232.53 v1(107.31,232.55) 107.28,232.55 107.25,232.52 ; 107.3,232.52 R219.2 ; 107.3,232.52 107.25,232.52 ; Q525.1 102.37,237.24 v1(107.31,237.24)
  Bottom w0.25: v1(107.31,232.55) v1(107.31,237.24)
Net-(Q524-Pad2): length 2.4
  Top w0.25: Q526.3 100.64,218.66 Q524.2
Net-(Q525-Pad2): length 2.4
  Top w0.25: Q527.3 100.64,234.66 Q525.2
Net-(Q526-Pad1): length 20.1
  Top w0.25: R223.2 108.6,228.52 Q528.3 107.69,226.96 106.06,225.33 103.81,225.33 ; Q531.1 102.46,225.33 103.81,225.33 ; 103.81,225.33 v1(103.79,225.31) ; Q526.1 99.06,221.93 103.75,221.93 v1(103.79,221.97)
  Bottom w0.25: v1(103.79,225.31) v1(103.79,221.97)
Net-(Q528-Pad2): length 2.4
  Top w0.25: Q529.3 104.63,226.66 Q528.2
Net-(Q529-Pad2): length 2.4
  Top w0.25: Q530.3 100.64,226.66 Q529.2
Net-(Q531-Pad2): length 2.4
  Top w0.25: Q532.3 100.64,222.66 Q531.2
Net-(Q533-Pad2): length 2.4
  Top w0.25: Q534.3 123.7,210.7 Q533.2
Net-(Q535-Pad2): length 2.4
  Top w0.25: Q536.3 123.5,345.9 Q535.2
Net-(Q537-Pad1): length 39.6
  Top w0.25: v1(128.55,365.05) Q546.1 ; Q540.1 121.6,368.85 v1(128.55,368.85) ; v1(128.55,352.55) 125.3,352.55 Q537.1 ; Q543.3 127.46,371.76 v1(128.56,371.76) R231.2
  Bottom w0.25: v1(128.56,371.76) 128.55,371.75 v1(128.55,368.85) v1(128.55,365.05) v1(128.55,352.55)
Net-(Q537-Pad2): length 2.4
  Top w0.25: Q539.3 123.5,349.9 Q537.2
Net-(Q538-Pad1): length 18
  Top w0.25: v1(125.65,359.85) 125.65,359.75 Q549.3 127.46,359.76 R233.2 ; v1(125.65,367.85) 125.6,367.8 Q538.1 ; v1(125.65,363.85) 124.6,363.85 Q547.1
  Bottom w0.25: v1(125.65,359.85) v1(125.65,363.85) v1(125.65,367.85)
Net-(Q538-Pad2): length 2.4
  Top w0.25: Q538.2 123.5,365.9 Q540.3
Net-(Q538-Pad3): length 14.5
  Top w0.25: R228.2 v1(127.56,367.76) 127.46,367.76 Q538.3 ; Q543.1 126.8,371.8 v1(127.55,372.55)
  Bottom w0.25: v1(127.55,372.55) 127.55,367.77 v1(127.56,367.76)
Net-(Q542-Pad2): length 2.4
  Top w0.25: Q544.3 123.5,353.9 Q542.2
Net-(Q543-Pad2): length 2.4
  Top w0.25: Q545.3 123.5,369.9 Q543.2
Net-(Q544-Pad1): length 20.1
  Top w0.25: 126.68,360.57 125.33,360.57 Q549.1 ; 126.68,360.57 128.93,360.57 130.55,362.2 Q546.3 131.46,363.76 R232.2 ; 126.68,360.57 v1(126.65,360.55) ; v1(126.65,357.21) 126.61,357.17 121.92,357.17 Q544.1
  Bottom w0.25: v1(126.65,360.55) v1(126.65,357.21)
Net-(Q546-Pad2): length 2.4
  Top w0.25: Q547.3 127.5,361.9 Q546.2
Net-(Q547-Pad2): length 2.4
  Top w0.25: Q547.2 123.5,361.9 Q548.3
Net-(Q549-Pad2): length 2.4
  Top w0.25: Q549.2 123.5,357.9 Q550.3
Net-(Q551-Pad2): length 2.3
  Top w0.25: Q551.2 127.6,250.5 Q556.3
Net-(Q552-Pad2): length 2.4
  Top w0.25: Q552.2 123.6,258.45 Q557.3
Net-(Q553-Pad2): length 2.4
  Top w0.25: Q558.3 123.6,246.5 Q553.2
Net-(Q554-Pad2): length 6.3
  Top w0.25: Q559.3 125.19,255.4 126.19,254.4 128.55,254.4
